# Altium PCB pulser.PcbDoc (part 2 of 2)
Units mm, origin at the board's own origin, x right, y up, seen from the top; angles counter-clockwise.
Board outline 13.4 x 20 mm, 6 copper layers (Top Layer, Int1(GND), Int2(Sign), Int3 (Sign), Int4(GND), Bottom Layer), stack 0.92 mm thick; 135 components, 34 nets, 328 pads, 744 vias.
Unrouted connection lines stored in the file: 2.
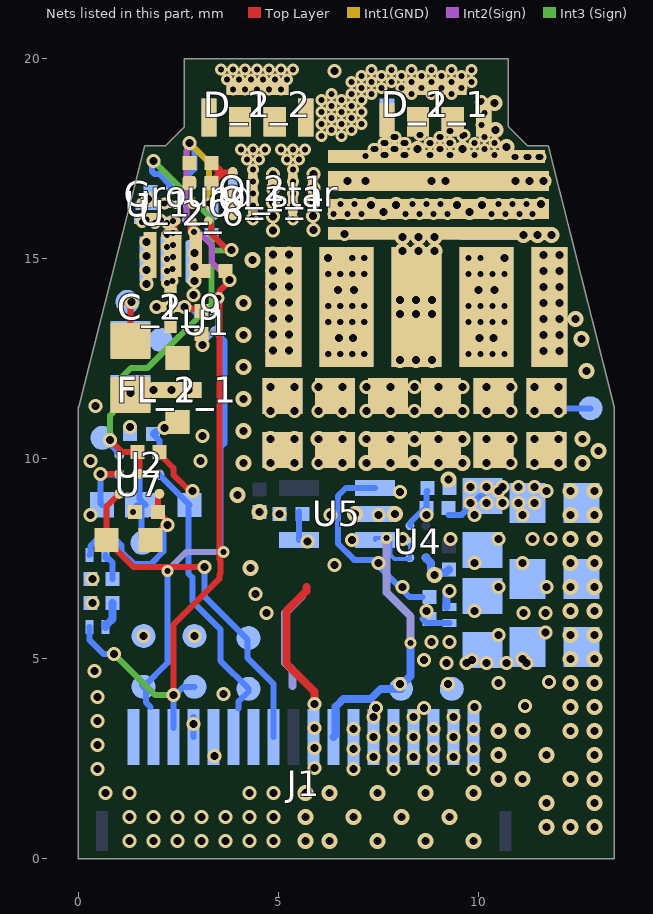
[diagram p6: the nets of this part, all layers, seen from the top]

## Via types
v1: diameter 0.3, hole 0.15, Int4(GND) to Bottom Layer, tented both sides, 182 vias
v2: diameter 0.3, hole 0.15, Top Layer to Int1(GND), tented both sides, 180 vias
v3: diameter 0.4, hole 0.2, Top Layer to Bottom Layer, tented both sides, 164 vias
v4: diameter 0.35, hole 0.2, Top Layer to Bottom Layer, tented both sides, 114 vias
v5: diameter 0.35, hole 0.2, Top Layer to Int1(GND), tented both sides, 59 vias
v6: diameter 0.35, hole 0.2, Int4(GND) to Bottom Layer, tented both sides, 45 vias

## Nets (pads, with @x,y where several pads share a name; then routed paths per layer and width w, separated by ;. In a path a pad name is that pad's centre, name@x,y a point inside that pad or via, vN(x,y) a via of type N, cw(c..) or ccw(c..) an arc to the next point about the centre after c; other vN are vias at no path point) (continued)
AGND: 2.1 C1.1 C2.1 C3.1 C15.1 C_1_8.1 C_1_9.2 C_1_10.1 C_1_11.2 C_1_12.1 C_2_8.1 C_2_9.2 C_2_10.1 C_2_11.2 C_2_12.1 FL_1_1.2 FL_2_1.2 Ground_star.1 J1.12 J1.14 J1.18 Q_1_1.2 Q_2_1.2 R1.1 R4.1 R9.1 R13.1 U1.A2 U2.C1 U7.C1 U_1_6.B1 U_2_6.B1 | length 4.2
  Top Layer w0.15: v4(0.55,9.625) U7.C1@1.025,9.625 ; v4(2.65,13.8) 2.688,13.762 2.898,13.762 C1.1@3,13.66
  Top Layer w0.2: U_2_6.B1@2.85,15.95 2.85,15.945 2.825,15.92 2.825,15.677 2.873,15.629 2.873,15.56 2.935,15.499 C_2_10.1@2.935,15.1
  Bottom Layer w0.15: C2.1@0.585,8.85 0.55,8.885 v4(0.55,9.625) 0.562,9.613 1.012,9.613 U2.C1@1.025,9.6 ; C_1_12.1@1.675,16.328 1.778,16.328 1.9,16.45 1.938,16.412 2.181,16.412 2.205,16.388 2.287,16.388 U_1_6.B1@2.3,16.375 ; v4(2.65,13.8) 2.688,13.762 2.821,13.762 2.983,13.6 U1.A2@3,13.6
  other v1: 2.156,16.387
  other v2: 1.36,8.675 2.895,15.668
  other v3: 4.3,7.275 1.875,11.725
  other v4: 1.275,0.45 1.875,0.45 2.475,0.45 3.075,0.45 3.675,0.45 4.275,0.45 4.875,0.45 1.275,1.05 1.875,1.05 2.475,1.05 3.075,1.05 3.675,1.05 4.275,1.05 4.875,1.05 0.675,1.65 1.275,1.65 4.275,1.65 4.875,1.65 0.475,2.25 3.4,2.575 0.475,2.85 0.475,3.45 0.475,4.05 3.625,4.125 0.4,4.7 2.9,5.57 4.7,6.15 0.35,6.4 4.425,6.625 0.35,7 0.3,8.6 0.299,9.944 3.05,9.95 3.1,10.575 1.29,10.8 0.425,11.325 1.3,11.65 2.325,11.725 2.75,11.725 1.95,13.8 2.3,13.8 2.875,14.1 1.7,14.375 2.9,14.45 1.7,14.725 2.9,14.8 1.7,15.075 2.9,15.15 1.7,15.425 1.746,16.502
IN+: R6.1 R7.2 U4.A1 | length 1.1
  Bottom Layer w0.1: U4.A1@8.29,8.325 8.29,8.357 U4.A1@8.29,8.39
  Bottom Layer w0.15: U4.A1@8.29,8.357 8.303,8.357 8.303,8.412 8.566,8.675 8.6,8.675 R6.1@8.7,8.775 8.7,9.175 R7.2@8.725,9.2
Net9_1: 9.1 C2.2 R2.2 U2.B1 | length 1.7
  Bottom Layer w0.15: C2.2@1.465,8.85 1.575,8.74 9.1@1.575,8.05 ; U2.B1@1.525,9.6 1.525,9 R2.2@1.675,8.85
Net10_1: 10.1 R13.2 R14.2 U2.C2 U7.B1 U_1_6.C1 U_2_6.C1 | length 13.1
  Top Layer w0.15: v4(0.79,10.475) 1.09,10.175 R14.2@1.475,10.175 ; R14.2@1.473,10.168 1.525,10.116 U7.B1@1.525,9.625 ; U_2_6.C1@3.25,15.95 3.25,15.931 3.322,15.86 3.322,15.628 v4@3.75,15.2
  Int3 (Sign) w0.15: v4(0.79,10.475) 0.79,11.082 0.87,11.162 0.87,11.828 1.317,12.275 1.733,12.275 3.33,13.872 3.33,15.199 3.34,15.21 ; v4(1.875,17.45) 3.33,15.995 3.33,15.22 3.34,15.21 ; v4@3.75,15.2 3.74,15.21 3.34,15.21
  Bottom Layer w0.15: v4(0.79,10.475) 0.828,10.437 0.828,10.324 1.025,10.127 U2.C2@1.025,10.1 ; v4(1.875,17.45) 1.838,17.413 1.838,17.187 1.9,17.125 2.018,17.125 2.287,16.857 2.287,16.788 U_1_6.C1@2.3,16.775
  other v4: 3.825,15.225
Net_1_11_1: _1_11.1 C_1_8.2 C_1_9.1 FL_1_1.3 | length 0
  Bottom Layer w0.15: C_1_8.2@1.275,13.025 C_1_8.2@1.3,13
Net_2_11_1: _2_11.1 C_2_8.2 C_2_9.1 FL_2_1.3 | length 1
  Top Layer w0.15: v4@1.225,13.925 1.225,13.871 1.3,13.796 C_2_8.2@1.3,12.95
  other v4: 1.325,13.925
NetC13_2: C13.2 FB1.2 FB2.1
NetD_1_1_5: D_1_1.5 D_1_2.1 D_1_2.2 D_1_2.3 D_1_2.4
  other v1: 6.075,18.075 6.575,18.075 6.325,18.225 6.825,18.225 6.075,18.375 6.575,18.375 7.075,18.375 6.325,18.525 6.825,18.525 6.075,18.675 6.575,18.675 7.075,18.675 6.325,18.825 6.825,18.825 6.075,18.975 6.575,18.975 7.075,18.975 6.325,19.125 6.825,19.125 8.325,19.125 8.825,19.125 9.325,19.125 7.075,19.275 8.075,19.275 8.575,19.275 9.075,19.275 9.575,19.275 6.825,19.425 7.325,19.425 7.825,19.425 8.325,19.425 8.825,19.425 9.325,19.425 9.825,19.425 7.075,19.575 7.575,19.575 8.075,19.575 8.575,19.575 9.075,19.575 9.575,19.575 7.325,19.725 7.825,19.725 8.325,19.725 8.825,19.725 9.325,19.725 9.825,19.725
NetD_1_2_5: D_1_2.5 Q_1_1.3 Q_1_1.5
  other v1: 4.36,15.98 5.36,15.98 4.36,16.33 5.36,16.33 4.36,16.63 5.36,16.63 4.36,16.93 5.36,16.93 4.36,17.23 5.36,17.23 4.21,17.48 4.51,17.48 5.21,17.48 5.51,17.48 4.06,17.73 4.36,17.73 4.66,17.73 5.06,17.73 5.36,17.73 5.66,17.73 3.86,19.23 4.16,19.23 4.46,19.23 4.76,19.23 5.06,19.23 3.71,19.48 4.01,19.48 4.31,19.48 4.61,19.48 4.91,19.48 5.21,19.48 3.56,19.73 3.86,19.73 4.16,19.73 4.46,19.73 4.76,19.73 5.06,19.73 5.36,19.73
NetD_2_1_5: D_2_1.5 D_2_2.1 D_2_2.2 D_2_2.3 D_2_2.4
  other v2: 6.075,18.075 6.575,18.075 6.325,18.225 6.825,18.225 6.075,18.375 6.575,18.375 7.075,18.375 6.325,18.525 6.825,18.525 6.075,18.675 6.575,18.675 7.075,18.675 6.325,18.825 6.825,18.825 6.075,18.975 6.575,18.975 7.075,18.975 6.325,19.125 6.825,19.125 7.325,19.125 8.325,19.125 8.825,19.125 9.325,19.125 7.075,19.275 7.575,19.275 8.075,19.275 8.575,19.275 9.075,19.275 9.575,19.275 6.825,19.425 7.325,19.425 7.825,19.425 8.325,19.425 8.825,19.425 9.325,19.425 9.825,19.425 7.075,19.575 7.575,19.575 8.075,19.575 8.575,19.575 9.075,19.575 9.575,19.575 7.325,19.725 7.825,19.725 8.325,19.725 8.825,19.725 9.325,19.725 9.825,19.725
NetD_2_2_5: D_2_2.5 Q_2_1.3 Q_2_1.5
  other v2: 5.36,15.98 4.335,16.005 4.36,16.33 5.36,16.33 4.36,16.63 5.36,16.63 4.36,16.93 5.36,16.93 4.36,17.23 5.36,17.23 4.21,17.48 4.51,17.48 5.21,17.48 5.51,17.48 4.06,17.73 4.36,17.73 4.66,17.73 5.06,17.73 5.36,17.73 5.66,17.73 3.86,19.23 4.16,19.23 4.46,19.23 4.76,19.23 5.06,19.23 3.71,19.48 4.01,19.48 4.31,19.48 4.61,19.48 4.91,19.48 5.21,19.48 3.56,19.73 3.86,19.73 4.16,19.73 4.46,19.73 4.76,19.73 5.06,19.73 5.36,19.73
NetLED1_1: LED1.1 R1.2 | length 0.7
  Bottom Layer w0.2: LED1.1@0.675,5.8 0.675,5.875 0.733,5.875 0.85,5.992 R1.2@0.85,6.4
NetLED2_1: LED2.1 R4.2 | length 0.7
  Bottom Layer w0.15: LED2.1@0.675,7.6 0.675,7.525 0.7,7.5 0.762,7.5 0.85,7.412 R4.2@0.85,7
NetLED3_2: LED3.2 R3.1 | length 0.6
  Bottom Layer w0.15: 8.6,6 R3.1@8.7,5.9 ; R3.1@8.775,5.9 LED3.2@9.275,5.9
NetQ_1_1_1: Q_1_1.1 R_1_10.2 R_1_11.2
NetQ_2_1_1: Q_2_1.1 R_2_10.2 R_2_11.2 | length 1
  Top Layer w0.2: R_2_11.2@3.325,16.9 3.539,17.114 ; R_2_10.2@3.325,17.4 3.539,17.186 3.539,17.114 ; Q_2_1.1@3.86,17.155 3.86,17.144 3.846,17.13 3.653,17.13 3.637,17.114 3.539,17.114
NetR_1_10_1: R_1_10.1 U_1_6.A2
NetR_1_11_1: R_1_11.1 U_1_6.B2
NetR_2_10_1: R_2_10.1 U_2_6.A2
NetR_2_11_1: R_2_11.1 U_2_6.B2
OP_OUT: 8.1 J1.8 U4.A2 U4.A3 U5.3 | length 8.4
  Int4(GND) w0.2: v1(7.7,8.025) 7.7,6.664 8.3,6.064 v1(8.3,5.4)
  Bottom Layer w0.1: U5.3@7.415,7.975 7.415,8.025 v1(7.7,8.025) 7.8,7.925 7.8,7.6 7.9,7.5 8.29,7.5 U4.A3@8.29,7.525 U4.A2@8.29,7.85
  Bottom Layer w0.2: J1.8@6.383,3.05 6.433,3.1 6.433,3.804 6.629,4 7.31,4 7.56,4.25 8.1@8.065,4.25 8.065,4.332 8.3,4.567 v1(8.3,5.4)
PGND: C4.1 C5.1 C6.1 C7.1 C13.1 C14.1 CA_1_1.1 CA_1_2.1 CA_1_3.1 CA_1_4.1 CA_1_5.1 CA_1_6.2 CA_1_7.1 CA_1_8.1 CA_1_9.1 CA_1_10.1 CA_1_11.1 CA_1_12.2 CA_1_13.2 CA_1_14.1 CA_1_15.1 CA_2_1.1 CA_2_2.1 CA_2_3.1 CA_2_4.1 CA_2_5.1 CA_2_6.2 CA_2_7.1 CA_2_8.1 CA_2_9.1 CA_2_10.1 CA_2_11.1 CA_2_12.2 CA_2_13.2 CA_2_14.1 CA_2_15.1 CB_1_1.1 CB_1_2.1 CB_1_3.1 CB_1_4.1 CB_1_5.1 CB_1_6.1 CB_1_7.1 CB_1_8.1 CB_1_9.1 CB_1_10.1 CB_1_11.1 CB_1_12.1 CB_2_1.1 CB_2_2.1 CB_2_3.1 CB_2_4.1 CB_2_5.1 CB_2_6.1 CB_2_7.1 CB_2_8.1 CB_2_9.1 CB_2_10.1 CB_2_11.1 CB_2_12.1 CC_1_1.1 CC_1_2.1 CC_1_3.1 CC_1_4.1 CC_1_5.1 CC_1_6.1 CC_2_1.1 CC_2_2.1 CC_2_3.1 CC_2_4.1 CC_2_5.1 CC_2_6.1 Ground_star.2 J1.1 J1.3 J1.5 J1.7 J1.9 LED3.1 Q_1_1.4 Q_1_1.6 Q_2_1.4 Q_2_1.6 R7.1 U4.B3 U5.2 | length 7.2
  Top Layer w0.2: 5.7,6.8 5.7,6.7 5.2,6.2 5.2,4.879 5.9,4.179 v4(5.9,3.875)
  Int4(GND) w0.2: 5.35,4.325 5.35,4.719 5.17,4.899 5.17,6.145 5.593,6.568
  Bottom Layer w0.2: U4.B3@8.69,7.525 8.69,7.52 8.813,7.397 8.813,7.241 8.954,7.1 9.016,7.162 9.193,7.162 C6.1@9.268,7.237 ; LED3.1@9.2,6.3 v4@9.2,6.7
  other v3: 5.683,0.45 6.283,0.45 7.483,0.45 8.683,0.45 9.883,0.45 11.7,0.8 12.3,0.8 12.9,0.8 5.683,1.05 6.883,1.05 8.083,1.05 9.283,1.05 11.7,1.4 12.9,1.4 5.683,1.65 6.283,1.65 7.483,1.65 8.683,1.65 9.883,1.65 10.5,2 11.1,2 12.3,2 12.9,2 10.5,2.6 11.7,2.6 12.9,2.6 10.5,3.2 11.1,3.2 12.3,3.2 12.9,3.2 12.3,3.8 12.9,3.8 12.3,4.4 12.9,4.4 12.3,5 12.9,5 12.3,5.6 12.9,5.6 12.3,6.2 12.9,6.2 12.3,6.8 12.9,6.8 8.9,7.1 12.3,7.4 12.9,7.4 12.3,8 12.9,8 12.3,8.6 12.9,8.6 6.915,8.625 7.915,8.625 4.525,8.665 3.975,9.1 12.3,9.2 12.9,9.2 9.249,9.487 4.125,9.9 4.8,9.9 5.4,9.9 6.6,9.9 7.2,9.9 7.8,9.9 8.4,9.9 9,9.9 9.6,9.9 12,9.9 12.6,9.9 13,10.2 4.8,10.5 5.4,10.5 6,10.5 6.6,10.5 7.2,10.5 7.8,10.5 8.4,10.5 9,10.5 9.6,10.5 12,10.5 12.6,10.5 4.125,10.7 4.125,11.5 12.7,12.2 4.125,12.3 8.044,12.47 8.444,12.47 8.844,12.47 4.86,12.705 5.26,12.705 11.625,12.7 12.025,12.7 12.575,13 4.125,13.1 4.86,13.105 5.26,13.105 11.625,13.1 12.025,13.1 4.86,13.505 5.26,13.505 11.625,13.5 12.025,13.5 12.425,13.5 8.044,13.62 8.444,13.62 8.844,13.62 4.125,13.9 11.625,13.9 12.025,13.9 4.86,13.905 5.26,13.905 8.044,13.97 8.444,13.97 8.844,13.97 4.86,14.305 5.26,14.305 11.625,14.3 12.025,14.3 4.86,14.705 5.26,14.705 11.625,14.7 12.025,14.7 4.35,14.975 4.86,15.105 5.26,15.105 11.625,15.1 12.025,15.1 8.1,15.2 8.5,15.2 8.9,15.2 8.1,15.55 8.5,15.55 8.9,15.55 11.125,15.6 11.475,15.6 11.825,15.6 6.725,16.95 7.175,16.95 8.825,16.95 9.175,16.95 10.925,16.95 11.275,16.95 11.625,16.95
  other v4: 6.883,2.25 7.883,2.25 8.883,2.25 9.883,2.25 5.9,2.275 6.883,2.75 7.883,2.75 8.883,2.75 9.883,2.75 5.9,2.775 6.883,3.25 7.883,3.25 8.883,3.25 9.883,3.25 5.9,3.275 8.825,5.425 9.275,5.425 11.125,6.15 11.675,6.15 9.275,6.7 6.4,7.35 11.35,8 11.8,8 5.03,8.625 6.65,15.625 4.86,15.705 5.875,15.725 4.86,16.055 5.87,16.075 4.86,16.405 5.875,16.425 4.86,16.755 5.875,16.775 4.86,17.105 5.875,17.125 6.4,19.7
  other v5: 7.439,3.774 8.639,3.774 9.9,3.8 11.161,3.826 8.039,4.374 9.239,4.374 10.5,4.4 11.761,4.426 8.639,4.974 9.839,4.974 11.1,5 10.5,5.6 11.674,5.661 8.7,6.2 9.9,6.2 8.1,6.8 10.5,6.8 11.7,6.8 7.5,7.4 9.9,7.4 11.1,7.4 5.726,7.939 6.839,7.974 8.1,8 9.3,8 10.5,8 6.3,8.6 7.5,8.6 8.7,8.6 9.9,8.6 11.1,8.6 8.039,9.174 10.5,9.2 11.7,9.2 6,9.9 10.2,9.9 10.8,9.9 11.4,9.9 10.2,10.5 10.8,10.5 11.4,10.5
PGOOD: R3.2 U5.1 | length 4.9
  Bottom Layer w0.15: U5.1@7.415,9.275 6.69,9.275 6.49,9.075 6.49,7.882 6.897,7.475 7.35,7.475 8.275,6.55 8.6,6.55
PULSE_IN: 4.1 J1.13 R2.1 R14.1 U2.A1 | length 8.2
  Top Layer w0.15: R14.1@2.025,10.175 2.125,10.075 2.125,10.02 2.375,9.77 2.375,9.605 2.741,9.238 2.812,9.238 v4(2.85,9.2)
  Bottom Layer w0.15: U2.A1@2.025,9.6 R2.1@2.775,8.85 2.75,8.825 2.75,7.134 2.85,7.034 2.85,6.438 3.55,5.738 3.55,4.955 4.1@4.255,4.25 ; 4.008,3.763 4.008,3.937 4.1@4.255,4.185
PULSE_OUT: 1.1 J1.11 R12.1 U7.C2 | length 9
  Top Layer w0.15: U7.C2@1.025,9.125 0.7,8.8 R12.1@0.7,7.975 1.381,7.294 3.144,7.294 v4(3.15,7.3)
  Bottom Layer w0.15: v4(3.15,7.3) 3.15,6.562 4.224,5.489 4.224,5.024 4.883,4.365 J1.11@4.883,3.05
STDN: 5.1 J1.16 LED1.2 R9.2 U_1_6.C2 U_2_6.C2 | length 22.3
  Top Layer w0.15: v4(2.375,4.1) 2.375,5.85 3.525,7 3.525,7.109 3.55,7.134 3.55,7.466 3.525,7.491 3.525,14.187 3.775,14.437 v4(3.775,14.475)
  Int2(Sign) w0.15: v4@2.708,17.9 2.737,17.871 2.737,17.741 2.708,17.712 2.708,15.97 3.34,15.337 3.34,14.91 v4(3.775,14.475)
  Int3 (Sign) w0.15: v4(0.888,5.123) 1.911,4.1 v4(2.375,4.1)
  Int1(GND) w0.15: v4(2.775,17.9) 3.264,17.411 v2(3.264,16.38)
  Bottom Layer w0.15: LED1.2@0.275,5.8 0.275,5.476 0.625,5.126 0.885,5.126 v4(0.888,5.123) ; v4(2.375,4.1) 2.379,4.096 J1.16@2.379,3.271 ; v4@2.4,4.071 2.629,4.3 5.1@2.9,4.3 ; U_1_6.C2@2.7,16.775 2.7,17.05 2.9,17.25 2.9,17.721 2.775,17.846 v4(2.775,17.9)
TEMPOUT: 6.1 J1.17 U1.B1 | length 11.1
  Int4(GND) w0.15: v1(2.225,7.2) 2.7,7.675 v1(3.625,7.675)
  Bottom Layer w0.15: 6.1@1.585,4.345 1.687,4.243 1.687,3.914 1.808,3.793 ; 6.1@1.63,4.3 2.225,4.895 v1(2.225,7.2) ; U1.B1@3.4,13.2 3.65,12.95 3.65,10.384 3.55,10.284 3.55,7.791 3.625,7.716 v1(3.625,7.675)
V_LASER: 7.1 C14.2 FB2.2 J1.2 J1.4 J1.6
  other v6: 7.383,2.55 8.383,2.55 9.383,2.55 7.383,3.05 8.383,3.05 9.383,3.05 7.383,3.55 8.383,3.55 9.383,3.55 9.2,4.9 9.7,4.9 10.2,4.9 10.7,4.9 11.2,4.9
V_pulser_1_: C_1_9.3 C_1_10.2 C_1_11.1 C_1_12.2 U_1_6.A1
  other v1: 2.21,14.4 2.21,14.7 2.222,14.997 2.222,15.297 2.222,15.597 1.922,15.897 2.222,15.897 1.587,15.918
V_pulser_2_: C_2_9.3 C_2_10.2 C_2_11.1 C_2_12.2 U_2_6.A1 | length 0.9
  Top Layer w0.2: C_2_11.1@2.312,15.1 2.375,15.163 2.375,15.87 2.45,15.945 U_2_6.A1@2.45,15.95
  other v2: 2.351,14.446 2.351,14.746 2.363,15.043 2.363,15.343 2.363,15.643 2.363,15.943 2.063,15.968 1.703,15.989
V_unfilt_laser: 11.1 C4.2 CA_1_1.2 CA_1_2.2 CA_1_3.2 CA_1_4.2 CA_1_5.2 CA_1_6.1 CA_1_7.2 CA_1_8.2 CA_1_9.2 CA_1_10.2 CA_1_11.2 CA_1_12.1 CA_1_13.1 CA_1_14.2 CA_1_15.2 CA_2_1.2 CA_2_2.2 CA_2_3.2 CA_2_4.2 CA_2_5.2 CA_2_6.1 CA_2_7.2 CA_2_8.2 CA_2_9.2 CA_2_10.2 CA_2_11.2 CA_2_12.1 CA_2_13.1 CA_2_14.2 CA_2_15.2 CB_1_1.2 CB_1_2.2 CB_1_3.2 CB_1_4.2 CB_1_5.2 CB_1_6.2 CB_1_7.2 CB_1_8.2 CB_1_9.2 CB_1_10.2 CB_1_11.2 CB_1_12.2 CB_2_1.2 CB_2_2.2 CB_2_3.2 CB_2_4.2 CB_2_5.2 CB_2_6.2 CB_2_7.2 CB_2_8.2 CB_2_9.2 CB_2_10.2 CB_2_11.2 CB_2_12.2 CC_1_1.2 CC_1_2.2 CC_1_3.2 CC_1_4.2 CC_1_5.2 CC_1_6.2 CC_2_1.2 CC_2_2.2 CC_2_3.2 CC_2_4.2 CC_2_5.2 CC_2_6.2 D_1_1.1 D_1_1.2 D_1_1.3 D_1_1.4 D_2_1.1 D_2_1.2 D_2_1.3 D_2_1.4 FB1.1 R6.2 | length 2.2
  Bottom Layer w0.15: 9.25,8.6 9.587,8.6 9.675,8.688 9.675,8.7 10.05,9.075 FB1.1@10.1,9.075 FB1.1@10.275,8.9 ; v5(12,11.2) 12,11.264 11.1@12.8,11.264
  other v1: 6.238,12.625 6.538,12.625 6.838,12.625 7.138,12.625 9.75,12.625 10.05,12.625 10.35,12.625 10.65,12.625 6.238,13.425 6.538,13.425 6.838,13.425 7.138,13.425 9.75,13.425 10.05,13.425 10.35,13.425 10.65,13.425 6.238,13.825 6.538,13.825 6.838,13.825 7.138,13.825 9.75,13.825 10.05,13.825 10.35,13.825 10.65,13.825 6.238,14.625 6.538,14.625 6.838,14.625 7.138,14.625 9.75,14.625 10.05,14.625 10.35,14.625 10.65,14.625 6.838,15.025 7.138,15.025 9.75,15.025 10.05,15.025 6.375,16.125 6.725,16.125 7.075,16.125 8.175,16.125 8.525,16.125 8.875,16.125 9.225,16.125 10.325,16.125 10.675,16.125 11.025,16.125 11.35,16.125 6.55,16.375 6.9,16.375 8.35,16.375 8.7,16.375 9.05,16.375 10.5,16.375 10.85,16.375 11.2,16.375 10.9,17.55 11.2,17.55 11.5,17.55 7.175,17.575 7.675,17.6 8.175,17.6 8.775,17.6 9.275,17.6 9.9,17.6 10.4,17.6 7.425,17.75 7.925,17.75 9.025,17.75 10.15,17.75 7.675,17.9 8.175,17.9 8.775,17.9 9.275,17.9 9.9,17.9 10.4,17.9 7.925,18.05 9.025,18.05 10.15,18.05 9.6,18.075 8.525,18.1 9.275,18.2 10.075,18.35 10.15,18.65 10.05,18.925
  other v2: 6.25,12.625 6.55,12.625 6.85,12.625 7.15,12.625 9.75,12.625 10.05,12.625 10.35,12.625 10.65,12.625 6.25,13.425 6.55,13.425 6.85,13.425 7.15,13.425 9.75,13.425 10.05,13.425 10.35,13.425 10.65,13.425 6.25,13.825 6.55,13.825 6.85,13.825 7.15,13.825 9.75,13.825 10.05,13.825 10.35,13.825 10.65,13.825 6.25,14.625 6.55,14.625 6.85,14.625 7.15,14.625 9.75,14.625 10.05,14.625 10.35,14.625 10.65,14.625 6.85,15.025 7.15,15.025 9.75,15.025 10.05,15.025 6.375,16.125 6.725,16.125 7.075,16.125 8.175,16.125 8.525,16.125 8.875,16.125 9.225,16.125 10.325,16.125 10.675,16.125 11.025,16.125 11.35,16.125 6.55,16.375 6.9,16.375 8.35,16.375 8.7,16.375 9.05,16.375 10.5,16.375 10.85,16.375 11.2,16.375 10.925,17.55 11.25,17.55 11.55,17.55 7.625,17.6 8.125,17.6 8.8,17.6 9.3,17.6 9.9,17.6 10.4,17.6 7.375,17.75 7.875,17.75 9.05,17.75 10.15,17.75 7.625,17.9 8.125,17.9 8.8,17.9 9.3,17.9 9.9,17.9 10.4,17.9 7.875,18.05 9.05,18.05 10.15,18.05 8.55,18.1 9.65,18.1 9.3,18.2 10.075,18.35 10.15,18.65 10.075,18.95
  other v3: 6.513,13.025 6.863,13.025 10.025,13.025 10.375,13.025 6.488,14.225 6.888,14.225 10,14.225 10.4,14.225 6.238,15.025 10.65,15.025 7.625,16.175 9.775,16.175 7.315,16.345 7.935,16.345 9.465,16.345 10.085,16.345 8.475,17.75 9.6,17.75 10.7,17.8 10.425,18.225 10.4,18.9
  other v4: 5.4,11.2 7.2,11.2 9.6,11.2 11.4,11.2 5.4,11.8 7.2,11.8 9.6,11.8 11.4,11.8 11.565,16.37
  other v5: 4.8,11.2 6,11.2 6.6,11.2 7.8,11.2 8.4,11.2 9,11.2 10.2,11.2 10.8,11.2 4.8,11.8 6,11.8 6.6,11.8 7.8,11.8 8.4,11.8 9,11.8 10.2,11.8 10.8,11.8 12,11.8
  other v6: 9.8,8.9 10.2,8.9 10.6,8.9 11,8.9 11.4,8.9 9.8,9.3 10.2,9.3 10.6,9.3 11,9.3 11.4,9.3 4.8,11.2 6,11.2 6.6,11.2 7.8,11.2 8.4,11.2 9,11.2 10.2,11.2 10.8,11.2 12,11.2 4.8,11.8 6,11.8 6.6,11.8 7.8,11.8 8.4,11.8 9,11.8 10.2,11.8 10.8,11.8 12,11.8
VDD5: 3.1 C1.2 C3.2 C15.2 FL_1_1.1 FL_2_1.1 J1.15 LED2.2 R12.2 U1.A1 U1.B2 U2.A2 U7.A2 | length 9.2
  Top Layer w0.15: R12.2@1.8,7.975 2.129,8.304 2.187,8.304 v4(2.225,8.342) 2.187,8.381 2.187,8.473 C15.2@1.985,8.675 1.985,9.058 2.025,9.098 U7.A2@2.025,9.125
  Int4(GND) w0.15: v4(3.1,12.85) 3.1,12.904 3.499,13.303 v1(3.499,14.023)
  Bottom Layer w0.15: LED2.2@0.275,7.6 0.3,7.625 0.3,7.818 0.482,8 0.914,8 1.075,7.839 1.075,7.683 1.383,7.375 1.817,7.375 2.125,7.683 2.125,8.188 2.225,8.288 v4(2.225,8.342) ; U2.A2@2.025,10.1 2.025,10.46 C3.2@1.86,10.625 1.935,10.7 2.25,10.7 FL_1_1.1@2.475,10.925 FL_1_1.1@2.7,11.15 ; J1.15@2.875,3.55 2.883,3.542 J1.15@2.883,3.05 ; U1.B2@3,13.2 3.012,13.188 3.012,12.992 3.1,12.904 v4(3.1,12.85) v4@3.1,12.796 ; U1.A1@3.4,13.6 v1(3.499,14.023)
  other v4: 2.875,3.375 1.63,5.57 2.15,10.775
VREF: C7.2 U5.4 | length 0.7
  Bottom Layer w0.15: U5.4@5.515,7.975 C7.2@5.515,8.687
pads on no net: J1.MP1 J1.MP2 U4.B1 U7.A1
copper on no net:
  other v4: 3.825,16.625

## Polygon pours and split planes (outlines as drawn)
NetD_2_2_5 on Top Layer "NETD_2_2_5_L01_P026" (solid, pour order 26): 3.86,17.93 3.86,17.73 4.16,17.23 4.16,15.83 4.55,15.83 4.55,17.223 4.86,17.43 5.175,17.22 5.175,15.83 5.56,15.83 5.56,17.23 5.96,17.73 5.96,17.93
AGND on Top Layer "AGND_L01_P051" (solid, remove dead copper, pour order 51): 3.7,8.325 5.1,6.925 5.1,0 0.127,0 0.127,11.219 1.3,15.712 1.3,17.85 3.949,17.85 3.949,13.575 3.7,13.575
PGND on Top Layer "PGND_L01_P060" (solid, remove dead copper, pour order 60): 5.25,0 13.297,0 13.297,11.288 12.8,13.154 12.8,20 2.65,20 2.65,17.7 3.9,17.7 3.9,8.475 5.25,7.125
V_unfilt_laser on Top Layer "V_UNFILT_LASER_L01_P017" (solid, pour order 17): 7.375,12.1 9.525,12.1 9.525,15.3 10.875,15.3 10.875,12.025 12.2,12.025 12.2,11 4.6,11 4.6,12.025 6.025,12.025 6.025,15.3 7.375,15.3
NetR_2_10_1 on Top Layer "NETR_2_10_1_L01_P041" (solid, pour order 41): 2.34,16.35 2.17,16.52 cw(c2.401,16.75) 2.075,16.75 2.075,16.923 cw(c2.852,16.923) 2.303,17.472 cw(c2.55,17.225) 2.55,17.575 2.95,17.575 2.95,17.189 2.56,17.189 2.56,16.35
NetD_2_1_5 on Top Layer "NETD_2_1_5_L01_P044" (solid, pour order 44): 7.283,19.092 7.283,18.05 6.15,18.06 3.072,18.06 3.072,19.01 3.458,19.01 3.667,18.8 5.282,18.8 5.492,19.01 5.685,19.01 7.35,20.035 10.5,20.035 10.5,19.9 9.7,19.099 7.29,19.099
V_pulser_2_ on Top Layer "V_PULSER_2__L01_P042" (solid, pour order 42): 1.519,16.11 2.293,16.11 cw(c2.293,15.778) 2.528,16.013 cw(c2.414,15.899) 2.575,15.899 2.575,15.643 2.167,15.643 ccw(c1.562,15.072) 1.562,15.904 1.519,15.904
V_unfilt_laser on Top Layer "V_UNFILT_LASER_L01_P043" (solid, pour order 43): 7.522,18.895 7.908,18.895 8.21,18.8 9.64,18.8 9.942,19.01 10.328,19.01 10.58,19.06 10.9,19.06 10.9,17.94 11.76,17.72 11.76,17.4 6.24,17.4 6.24,17.72 7.522,18.045
no net on Top Overlay "NONET_L-01_P-001" (solid): 1.699,1.988 0.689,1.988 0.689,1.906 1.699,1.906 ccw(c2.702,1.93) 2.727,0.927 ccw(c2.753,1.919) 3.746,1.893 3.746,1.908 4.76,1.908 4.76,1.98 3.746,1.98 ccw(c2.748,1.959) 2.727,2.956 ccw(c2.697,1.959)
AGND on Int1(GND) "AGND_L02_P049" (solid, remove dead copper, pour order 49): 0.086,11.061 0.086,0 5.1,0 5.1,6.925 3.7,8.325 3.7,13.575 3.949,13.575 3.949,17.85 1.3,17.85 1.3,15.712
PGND on Int1(GND) "PGND_L02_P057" (solid, remove dead copper, pour order 57): 5.711,2.363 5.261,4.55 5.261,7.438 3.911,8.788 3.911,17.688 2.661,17.688 2.661,19.988 12.811,19.988 12.811,13.142 13.304,11.29 13.304,-0.012 5.711,-0.012
V_unfilt_laser on Int1(GND) "V_UNFILT_LASER_L02_P012" (solid, pour order 12): 6.175,17.5 6.165,17.49 6.165,15.765 5.9,15.5 5.9,12.2 4.6,12.2 4.6,10.825 12.3,10.825 12.3,19 10.9,19 9.689,19 8.718,18.346 8.09,18.35 7.1,17.725 6.7,17.5
NetD_2_1_5 on Int1(GND) "NETD_2_1_5_L02_P058" (solid, pour order 58): 5.925,19.2 7.625,20.15 10.225,20.15 10.375,19.8 10.375,19.475 8.65,18.3 8,18.3 7.1,17.725 5.925,17.725
NetD_2_2_5 on Int1(GND) "NETD_2_2_5_L02_P023" (solid, pour order 23): 5.36,15.83 5.55,16.02 5.56,16.05 5.56,17.23 5.775,17.513 5.775,19.115 5.66,19.23 5.66,20.03 3.36,20.03 3.36,18.23 3.86,17.73 4.16,17.23 4.16,15.83 4.56,15.83 4.56,17.23 4.86,17.43 5.16,17.23 5.16,15.83
V_pulser_2_ on Int1(GND) "V_PULSER_2__L02_P003" (solid, remove dead copper, pour order 3): 2.658,15.898 2.256,16.3 2.2,16.298 1.5,16.298 1.5,15.7 2,15.7 2,14.1 2.658,14.1
NetD_1_2_5 on Int4(GND) "NETD_1_2_5_L05_P016" (solid, pour order 16): 5.36,15.83 5.547,16.017 ccw(c5.517,16.048) 5.56,16.048 5.56,17.23 5.872,17.62 5.86,19.03 5.66,19.23 5.66,20.03 3.36,20.03 3.36,18.23 3.86,17.73 4.16,17.23 4.16,15.83 4.56,15.83 4.56,17.23 4.86,17.43 5.16,17.23 5.16,15.83
AGND on Int4(GND) "AGND_L05_P059" (solid, remove dead copper, pour order 59): 3.7,8.35 5.1,6.95 5.1,0 0.115,0 0.115,11.171 1.3,15.712 1.3,17.85 3.949,17.85 3.949,13.575 3.7,13.575
PGND on Int4(GND) "PGND_L05_P052" (solid, remove dead copper, pour order 52): 13.297,11.288 13.297,0 5.7,0 5.7,2.375 5.9,2.375 5.9,3.775 5.275,3.775 cw(c5.275,3.8) 5.25,3.8 5.25,7.075 3.9,8.425 3.9,16.05 3.625,16.325 3.625,17.35 3.275,17.7 2.65,17.7 2.65,20 12.8,20 12.8,13.154
V_unfilt_laser on Int4(GND) "V_UNFILT_LASER_L05_P005" (solid, pour order 5): 9.5,8.8 7.357,10.943 4.6,10.943 4.6,12.2 5.9,12.2 5.9,17.5 6.7,17.5 7.1,17.725 8.09,18.35 8.718,18.346 9.689,19 10.9,19 10.9,18 12.3,18 12.3,8.8
V_LASER on Int4(GND) "t" (solid, pour order 14): 9.582,3.4 10.082,3.9 11,3.9 11.6,4.5 11.6,5.05 11.375,5.275 8.665,5.275 7.2,3.81 7.2,2.249 7.582,2.249 7.582,3.4 8.181,3.4 8.181,2.249 8.584,2.249 8.584,3.451 9.183,3.451 9.183,2.251 9.181,2.249 9.235,2.195 9.453,2.195 9.582,2.323
NetD_1_1_5 on Int4(GND) "NETD_1_1_5_L05_P031" (solid, pour order 31): 5.925,19.2 7.625,20.15 10.225,20.15 10.375,19.8 10.375,19.475 8.65,18.3 8,18.3 7.1,17.725 5.925,17.725
V_pulser_1_ on Int4(GND) "V_PULSER_1__L05_P011" (solid, remove dead copper, pour order 11): 1.442,16.2 1.442,15.602 1.942,15.602 1.942,14.002 2.6,14.002 2.6,16.2
NetD_1_2_5 on Bottom Layer "NETD_1_2_5_L06_P010" (solid, pour order 10): 3.86,17.93 3.86,17.73 4.16,17.23 4.16,15.83 4.55,15.83 4.55,17.223 4.86,17.43 5.175,17.22 5.175,15.83 5.56,15.83 5.56,17.23 5.96,17.73 5.96,17.93
AGND on Bottom Layer "AGND_L06_P055" (solid, remove dead copper, pour order 55): 3.7,7.975 5.1,6.575 5.1,0 0.115,0 0.115,11.171 1.3,15.712 1.3,17.05 3.745,17.05 3.745,17.267 3.949,17.267 3.949,13.575 3.7,13.575
PGND on Bottom Layer "PGND_L06_P033" (solid, remove dead copper, pour order 33): 13.295,11.293 13.292,11.29 13.292,0.108 5.7,0.108 5.7,2.375 5.7,3.775 5.275,3.775 cw(c5.275,3.8) 5.25,3.8 5.25,7.45 3.9,8.8 3.9,16.05 3.625,16.325 3.625,17.35 3.275,17.7 2.65,17.7 2.65,20 12.8,20 12.8,13.154
V_unfilt_laser on Bottom Layer "V_UNFILT_LASER_L06_P067" (solid, pour order 67): 7.375,12.1 9.525,12.1 9.525,15.3 10.875,15.3 10.875,12.025 12.2,12.025 12.2,11 4.6,11 4.6,12.025 6.025,12.025 6.025,15.3 7.375,15.3
V_LASER on Bottom Layer "V_LASER_L06_P027" (solid, pour order 27): 10.183,2.9 10.183,3.9 11.3,3.9 11.675,4.275 11.675,4.975 11.375,5.275 8.525,5.275 7.25,4 7.25,2.9
NetD_1_1_5 on Bottom Layer "NETD_1_1_5_L06_P038" (solid, pour order 38): 7.283,19.092 7.283,18.05 6.15,18.06 3.072,18.06 3.072,19.01 3.458,19.01 3.667,18.8 5.282,18.8 5.492,19.01 5.685,19.01 7.35,20.035 10.5,20.035 10.5,19.9 9.7,19.099 7.29,19.099
V_unfilt_laser on Bottom Layer "V_UNFILT_LASER_L06_P030" (solid, pour order 30): 7.522,18.895 7.908,18.895 8.21,18.8 9.64,18.8 9.942,19.01 10.328,19.01 10.58,19.06 10.7,19.06 10.7,17.991 11.76,17.72 11.76,17.4 6.24,17.4 6.24,17.72 7.522,18.045
NetR_1_11_1 on Bottom Layer "NETR_1_11_1_L06_P045" (solid, pour order 45): 2.654,16.265 2.622,16.297 2.622,16.453 2.929,16.76 2.929,16.955 3.024,17.05 3.5,17.05 3.5,16.7 3.3,16.7 2.865,16.265
NetR_1_10_1 on Bottom Layer "NETR_1_10_1_L06_P040" (solid, pour order 40): 2.7,16.085 2.7,15.425 3.5,15.425 3.5,16.085
V_pulser_1_ on Bottom Layer "V_PULSER_1__L06_P022" (solid, pour order 22): 1.413,16.02 2.188,16.02 cw(c2.188,15.688) 2.423,15.922 cw(c2.309,15.808) 2.47,15.808 2.47,15.297 2.197,15.297 ccw(c1.428,14.982) 1.428,15.813 1.413,15.813
AGND on Int2(Sign) "AGND_L03_P054" (solid, remove dead copper, pour order 54): 3.7,8.325 5.025,7 5.025,0 0.115,0 0.115,11.171 1.3,15.712 1.3,17.85 3.949,17.85 3.949,14.625 3.25,14.625 3.25,13.175 3.7,13.175
VDD5 on Int2(Sign) "VDD5_L03_P053" (solid, remove dead copper, pour order 53): 3.078,12.177 3.078,11.553 cw(c2.873,11.55) 2.875,11.345 1.809,11.345 ccw(c1.809,11.241) 1.735,11.314 1,8.89 1,1.6 4,1.6 4,7.8 3.625,7.8 3.625,13.175 2.962,13.175 2.85,13.063 2.85,12.494
PGND on Int2(Sign) "PGND_L03_P062" (solid, remove dead copper, pour order 62): 5.25,4.725 5.675,1.887 5.675,0 13.297,0 13.297,11.288 12.8,13.154 12.8,20 2.65,20 2.65,17.7 3.275,17.7 3.625,17.35 3.625,16.325 3.9,16.05 3.9,8.475 5.25,7.125
AGND on Int3 (Sign) "AGND_L04_P066" (solid, remove dead copper, pour order 66): 3.7,8.325 5.1,6.925 5.1,0 0.115,0 0.115,11.171 1.3,15.712 1.3,17.85 3.949,17.85 3.949,13.575 3.373,13.575 1.974,12.176 1.975,12.175 3.7,12.175
PGND on Int3 (Sign) "PGND_L04_P064" (solid, remove dead copper, pour order 64): 13.297,11.288 13.297,0 5.7,0 5.7,3.775 5.275,3.775 cw(c5.275,3.8) 5.25,3.8 5.25,7.45 3.9,8.8 3.9,16.05 3.625,16.325 3.625,17.35 3.275,17.7 2.65,17.7 2.65,20 12.8,20 12.8,13.154

## Other copper
Top Layer:
  region net NetR_2_11_1: 2.6,16.999 2.96,16.999 2.96,16.35 2.748,16.35 cw(c3.617,16.91) 2.6,16.725
  region net NetQ_2_1_1: 3.15,17.575 3.5,17.575 3.723,17.352 ccw(c3.86,17.488) 3.86,17.295 3.86,17.024 ccw(c4.035,16.427) 3.489,16.725 3.15,16.725
  region net NetD_2_1_5: 3.072,19.01 3.458,19.01 3.667,18.8 5.282,18.8 5.492,19.01 6.25,19.01 6.25,18.06 3.072,18.06
  pour cut-out: 1.525,9.625 1.025,9.125 1.025,8.425 1.25,8.2 1.325,8.275 1.8,8.275 1.8,9.35
  pour cut-out: 3.36,16.35 3.949,16.35 3.949,15.525 3.36,15.525
  region net Net_2_11_1: 0.8,13.45 2.45,13.45 2.45,13.15 2.775,12.825 2.175,12.225 1.85,12.55 0.8,12.55
Int2(Sign):
  region net PGND: 3.625,17.088 3.625,16.154 4.275,16.154 4.275,17.088
Int3 (Sign):
  region net PGND: 3.625,17.075 3.625,16.241 4.275,16.241 4.275,17.075
Int4(GND):
  region net AGND: 3.976,16.949 3.976,16.175 3.35,16.175 3.35,17.075 3.8,17.075
Int1(GND):
  region net AGND: 3.594,16.569 3.594,16.025 4,16.025 4,16.8 3.594,16.8
Bottom Layer:
  region net NetQ_1_1_1: 3.478,16.428 3.582,16.341 ccw(c3.841,16.6) 3.844,16.234 3.86,15.964 ccw(c3.84,15.916) 3.82,15.964 3.425,15.975
  pour cut-out: 4.039,7.609 4.399,7.249 3.808,6.658 3.379,6.658 3.379,7.654 3.7,7.975 4.4,7.275
  pour cut-out: 4.467,5.732 5.057,5.732 5.075,5.75 5.125,5.7 5.125,4.525 4.722,4.525 4.467,4.78
  pour cut-out: 0.8,5.5 0.823,4.798 1.18,4.39 2,4.39 2,5.5
  region net V_LASER: 10.775,5.8 10.65,5.675 9.6,5.675 9.6,4.775 11.65,4.775 11.675,4.8 11.675,5.8
  region net NetC13_2: 9.6,8.175 10.6,8.175 11.275,7.5 11.675,7.5 11.675,6.5 10.975,6.5 10.6,6.125 9.6,6.125
  region net V_unfilt_laser: 10.6,9.525 10.725,9.4 11.675,9.4 11.675,8.4 10.775,8.4 10.6,8.575 10.6,8.625 9.6,8.625 9.6,9.525
  pour cut-out: 9.048,8.378 9.048,7.325 8.002,7.325 8.002,8.625 8.8,8.625
  region net Net_1_11_1: 0.8,13.45 2.45,13.45 2.45,13.15 2.775,12.825 2.175,12.225 1.85,12.55 0.8,12.55
  region net NetD_1_1_5: 3.072,19.01 3.458,19.01 3.667,18.8 5.282,18.8 5.492,19.01 6.25,19.01 6.25,18.06 3.072,18.06

## Silkscreen, mask and mechanical layers (free items; w line width, h text height)
Top Overlay:
  drawing of 36 lines, arcs and shapes, not listed
Bottom Overlay:
  text "_2" at 1.7,14.391 h0.8
  text "_1" at 3.575,12.166 h0.8
Top Solder:
  drawing of 13 lines, arcs and shapes, not listed
  text "LDpulser V2" at 8,8.977 h1
  text "villanif" at 4.225,8.862 h1
Bottom Solder:
  drawing of 3 lines, arcs and shapes, not listed
Board:
  circle w0.1: c6.7,5.5 r1.25
  lines w0.1: 0,11.3 0,0 ; 0.007,11.298 1.658,17.825 2.175,17.825 2.65,18.3 2.65,20 10.75,20 10.75,18.3 11.225,17.825 11.742,17.825 13.393,11.298 ; 3,21.275 2.85,20.225 ; 3.1,20.625 2.85,20.225 ; 5.875,20.6 6.125,20.2 ; 5.975,21.25 6.125,20.2 ; 10.325,20.6 10.575,20.2 ; 10.425,21.25 10.575,20.2 ; 12.45,18.05 12.05,17.8 ; 12.725,17.325 12.325,17.075 ; 13.1,17.95 12.05,17.8 ; 13.375,17.225 12.325,17.075 ; 13.4,11.3 13.4,0 ; 0,0 13.4,0 ; 0,0 13.4,0 ; 2.85,20.225 2.7,20.675 2.85,20.225 ; 6.125,20.2 6.275,20.65 6.125,20.2 ; 10.575,20.2 10.725,20.65 10.575,20.2 ; 12.05,17.8 12.5,17.65 12.05,17.8 ; 12.325,17.075 12.775,16.925 12.325,17.075
  text "Keep solder openings for alignement purpose" at 3.025,21.3 h0.8
  text "Cut pads close to edge if necessary" at 13.375,17.525 h0.8